# Altium PCB Main_PCB.PcbDoc (part 11 of 13)
Units mil, origin at the board's own origin, x right, y up, seen from the top; angles counter-clockwise.
Board outline 5200 x 6000 mil, 12 copper layers (Top (L1), Int1 (l2), Int2 (L3), Int3 (L4), Int4 (L5), Int5 (L6), Int6 (L7), Int7 (L8), Int8 (L9), Int9 (L10), Int10 (L11), Bot (L12)), stack 94.81 mil thick; 88 components, 424 nets, 1789 pads, 1684 vias.
Unrouted connection lines stored in the file: 914.
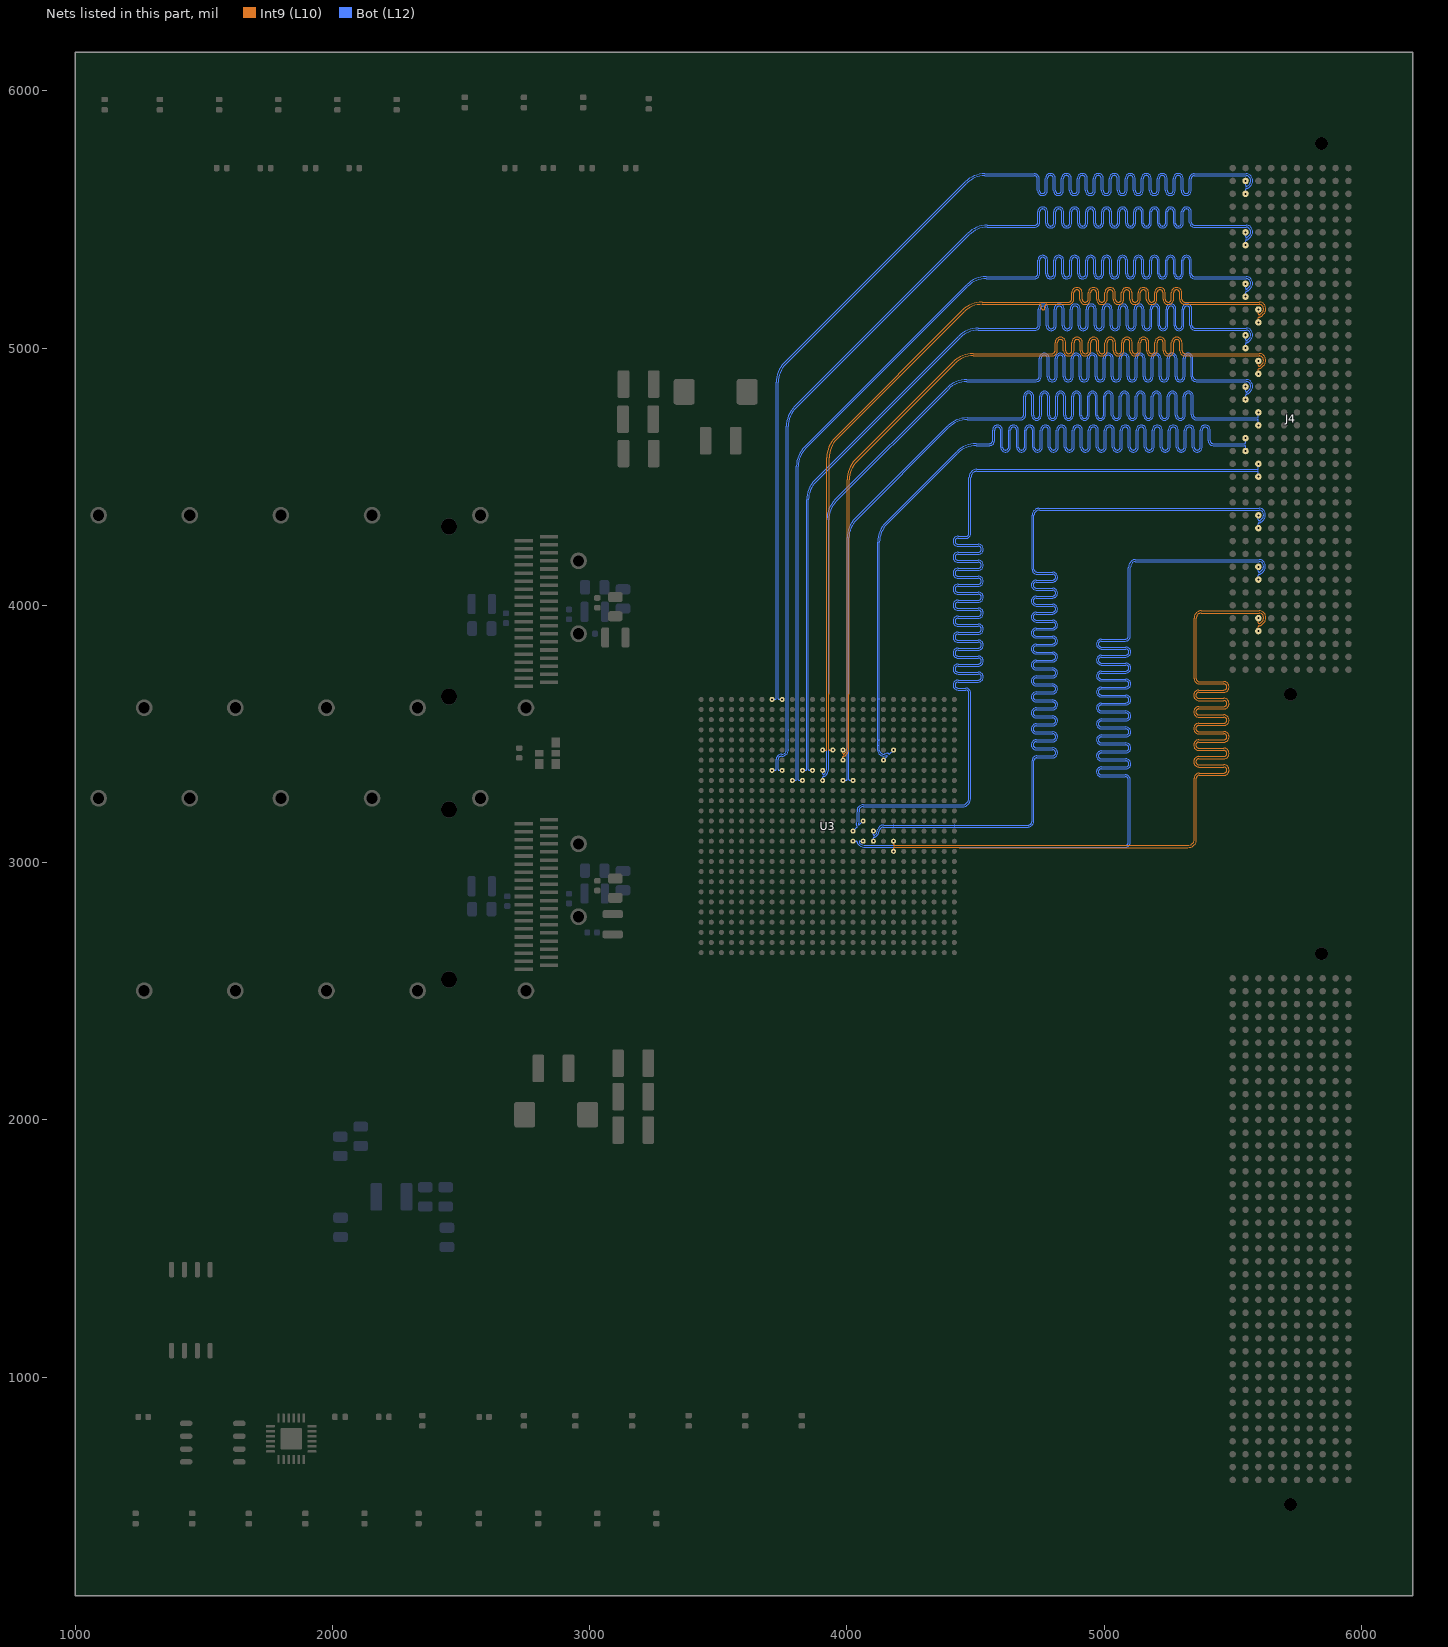
[diagram p21: the nets of this part, all layers, seen from the top]

## Via types
v1: diameter 13.78, hole 7.87, Top (L1) to Bot (L12), tented both sides, 1680 vias
v2: diameter 19.68, hole 7.87, Top (L1) to Bot (L12), tented both sides, 4 vias

## Nets (pads, with @x,y where several pads share a name; then routed paths per layer and width w, separated by ;. In a path a pad name is that pad's centre, name@x,y a point inside that pad or via, vN(x,y) a via of type N, cw(c..) or ccw(c..) an arc to the next point about the centre after c; other vN are vias at no path point) (continued)
HPCC_B_56_N: J4.H13 U3.F13 | length 3809.3
  Int9 (L10) w3.5: v1(3906.3,3437.4) 3918.73,3437.4 ccw(c3918.73,3440.9) 3921.21,3438.43 ccw(c3918.73,3440.9) 3922.23,3440.9 3922.23,4574.61 cw(c4031.03,4574.61) 3954.1,4651.55 4449.49,5146.93 cw(c4526.42,5070) 4526.42,5178.8 4856,5178.8 4862.15,5178.8 ccw(c4862.15,5190.55) 4873.9,5190.55 4873.9,5214.72 cw(c4894.45,5214.72) 4915,5214.72 4915,5190.1 ccw(c4926.75,5190.1) 4938.5,5190.1 4938.5,5214.72 cw(c4959.05,5214.72) 4979.6,5214.72 4979.6,5190.1 ccw(c4991.35,5190.1) 5003.1,5190.1 5003.1,5214.72 cw(c5023.65,5214.72) 5044.2,5214.72 5044.2,5190.1 ccw(c5055.95,5190.1) 5067.7,5190.1 5067.7,5214.72 cw(c5088.25,5214.72) 5108.8,5214.72 5108.8,5190.1 ccw(c5120.55,5190.1) 5132.3,5190.1 5132.3,5214.72 cw(c5152.85,5214.72) 5173.4,5214.72 5173.4,5190.1 ccw(c5185.15,5190.1) 5196.9,5190.1 5196.9,5214.72 cw(c5217.45,5214.72) 5238,5214.72 5238,5190.1 ccw(c5249.75,5190.1) 5261.5,5190.1 5261.5,5214.72 cw(c5282.05,5214.72) 5302.6,5214.72 5302.6,5190.55 ccw(c5314.35,5190.55) 5314.35,5178.8 5341.73,5178.8 5602.93,5178.8 cw(c5602.93,5152.93) 5621.22,5171.22 cw(c5602.93,5152.93) 5628.8,5152.93 5628.8,5150 cw(c5604.66,5150) 5621.73,5132.93 5613.56,5124.76 cw(c5603.5,5134.84) 5603.5,5120.6 ccw(c5603.5,5117.1) 5601.03,5119.57 ccw(c5603.5,5117.1) 5600,5117.1 v1(5600,5100)
HPCC_B_56_P: J4.H12 U3.F14 | length 3799
  Int9 (L10) w3.5: v1(3945.67,3437.4) 3933.23,3437.4 cw(c3933.23,3440.9) 3930.76,3438.43 cw(c3933.23,3440.9) 3929.73,3440.9 3929.73,3655 ccw(c3926.6,3658.14) 3931.03,3658.14 3931.03,4574.61 cw(c4031.03,4574.61) 3960.32,4645.32 4455.71,5140.71 cw(c4526.42,5070) 4526.42,5170 4734.75,5170 4750,5170 cw(c4750,5163.25) 4756.75,5163.25 4756.75,5155.57 ccw(c4763.5,5155.57) 4770.25,5155.57 4770.25,5163.25 cw(c4777,5163.25) 4777,5170 4790.82,5170 4856,5170 4862.15,5170 ccw(c4862.15,5190.55) 4882.7,5190.55 4882.7,5214.72 cw(c4894.45,5214.72) 4906.2,5214.72 4906.2,5190.1 ccw(c4926.75,5190.1) 4947.3,5190.1 4947.3,5214.72 cw(c4959.05,5214.72) 4970.8,5214.72 4970.8,5190.1 ccw(c4991.35,5190.1) 5011.9,5190.1 5011.9,5214.72 cw(c5023.65,5214.72) 5035.4,5214.72 5035.4,5190.1 ccw(c5055.95,5190.1) 5076.5,5190.1 5076.5,5214.72 cw(c5088.25,5214.72) 5100,5214.72 5100,5190.1 ccw(c5120.55,5190.1) 5141.1,5190.1 5141.1,5214.72 cw(c5152.85,5214.72) 5164.6,5214.72 5164.6,5190.1 ccw(c5185.15,5190.1) 5205.7,5190.1 5205.7,5214.72 cw(c5217.45,5214.72) 5229.2,5214.72 5229.2,5190.1 ccw(c5249.75,5190.1) 5270.3,5190.1 5270.3,5214.72 cw(c5282.05,5214.72) 5293.8,5214.72 5293.8,5190.55 ccw(c5314.35,5190.55) 5314.35,5170 5341.73,5170 5602.93,5170 cw(c5602.93,5152.93) 5615,5165 cw(c5602.93,5152.93) 5620,5152.93 5620,5150 cw(c5604.66,5150) 5615.51,5139.15 5607.34,5130.99 cw(c5603.5,5134.84) 5603.5,5129.4 cw(c5603.5,5132.9) 5601.03,5130.43 cw(c5603.5,5132.9) 5600,5132.9 v1(5600,5150)
HPCC_B_57_N: J4.H17 U3.F15 | length 3822.6
  Int9 (L10) w3.5: v1(3985.04,3437.4) 3985.04,3424.97 ccw(c3988.54,3424.97) 3986.06,3422.49 ccw(c3988.54,3424.97) 3988.54,3421.47 ccw(c3988.54,3424.97) 3991.01,3422.49 ccw(c3966.91,3446.6) 4001,3446.6 4001,4488.38 cw(c4109.8,4488.38) 4032.87,4565.31 4414.49,4946.93 cw(c4491.42,4870) 4491.42,4978.8 4792,4978.8 4798.15,4978.8 ccw(c4798.15,4990.55) 4809.9,4990.55 4809.9,5021.73 cw(c4830.45,5021.73) 4851,5021.73 4851,4989.87 ccw(c4862.75,4989.87) 4874.5,4989.87 4874.5,5021.73 cw(c4895.05,5021.73) 4915.6,5021.73 4915.6,4989.87 ccw(c4927.35,4989.87) 4939.1,4989.87 4939.1,5021.73 cw(c4959.65,5021.73) 4980.2,5021.73 4980.2,4989.87 ccw(c4991.95,4989.87) 5003.7,4989.87 5003.7,5021.73 cw(c5024.25,5021.73) 5044.8,5021.73 5044.8,4989.87 ccw(c5056.55,4989.87) 5068.3,4989.87 5068.3,5021.73 cw(c5088.85,5021.73) 5109.4,5021.73 5109.4,4989.87 ccw(c5121.15,4989.87) 5132.9,4989.87 5132.9,5021.73 cw(c5153.45,5021.73) 5174,5021.73 5174,4989.87 ccw(c5185.75,4989.87) 5197.5,4989.87 5197.5,5021.73 cw(c5218.05,5021.73) 5238.6,5021.73 5238.6,4989.87 ccw(c5250.35,4989.87) 5262.1,4989.87 5262.1,5021.73 cw(c5282.65,5021.73) 5303.2,5021.73 5303.2,4990.55 ccw(c5314.95,4990.55) 5314.95,4978.8 5357,4978.8 5602.93,4978.8 cw(c5602.93,4952.93) 5621.22,4971.22 cw(c5602.93,4952.93) 5628.8,4952.93 5628.8,4950 cw(c5604.66,4950) 5621.73,4932.93 5613.56,4924.76 cw(c5603.5,4934.84) 5603.5,4920.6 ccw(c5603.5,4917.1) 5601.03,4919.57 ccw(c5603.5,4917.1) 5600,4917.1 v1(5600,4900)
HPCC_B_57_P: J4.H16 U3.G15 | length 3793.2
  Int9 (L10) w3.5: v1(3985.04,3398.03) 3985.04,3410.47 cw(c3988.54,3410.47) 3986.06,3412.94 cw(c3988.54,3410.47) 3988.54,3413.97 ; 3988.58,3413.97 ccw(c3988.58,3424.87) 3996.29,3417.16 3996.33,3417.2 ccw(c3966.96,3446.58) 4008.5,3446.58 4008.5,3655 ccw(c4005.36,3658.14) 4009.8,3658.14 4009.8,4488.38 cw(c4109.8,4488.38) 4039.09,4559.09 4420.71,4940.71 cw(c4491.42,4870) 4491.42,4970 4792,4970 4798.15,4970 ccw(c4798.15,4990.55) 4818.7,4990.55 4818.7,5021.73 cw(c4830.45,5021.73) 4842.2,5021.73 4842.2,4989.87 ccw(c4862.75,4989.87) 4883.3,4989.87 4883.3,5021.73 cw(c4895.05,5021.73) 4906.8,5021.73 4906.8,4989.87 ccw(c4927.35,4989.87) 4947.9,4989.87 4947.9,5021.73 cw(c4959.65,5021.73) 4971.4,5021.73 4971.4,4989.87 ccw(c4991.95,4989.87) 5012.5,4989.87 5012.5,5021.73 cw(c5024.25,5021.73) 5036,5021.73 5036,4989.87 ccw(c5056.55,4989.87) 5077.1,4989.87 5077.1,5021.73 cw(c5088.85,5021.73) 5100.6,5021.73 5100.6,4989.87 ccw(c5121.15,4989.87) 5141.7,4989.87 5141.7,5021.73 cw(c5153.45,5021.73) 5165.2,5021.73 5165.2,4989.87 ccw(c5185.75,4989.87) 5206.3,4989.87 5206.3,5021.73 cw(c5218.05,5021.73) 5229.8,5021.73 5229.8,4989.87 ccw(c5250.35,4989.87) 5270.9,4989.87 5270.9,5021.73 cw(c5282.65,5021.73) 5294.4,5021.73 5294.4,4990.55 ccw(c5314.95,4990.55) 5314.95,4970 5357,4970 5602.93,4970 cw(c5602.93,4952.93) 5615,4965 cw(c5602.93,4952.93) 5620,4952.93 5620,4950 cw(c5604.66,4950) 5615.51,4939.15 5607.34,4930.99 cw(c5603.5,4934.84) 5603.5,4929.4 cw(c5603.5,4932.9) 5601.03,4930.43 cw(c5603.5,4932.9) 5600,4932.9 v1(5600,4950)
HPCC_B_58_N: J4.H21 U3.J16 | length 4793
  Bot (L12) w3.5: v1(4024.41,3319.29) 4011.97,3319.29 cw(c4011.97,3322.79) 4009.5,3320.32 cw(c4011.97,3322.79) 4008.47,3322.79 4008.47,4262.05 cw(c4108.47,4262.05) 4037.76,4332.76 4396.94,4691.94 cw(c4467.65,4621.23) 4467.65,4721.23 4670.15,4721.23 4675.68,4721.23 ccw(c4675.68,4740.52) 4694.98,4740.52 4694.98,4812.93 cw(c4706.73,4812.93) 4718.48,4812.93 4718.48,4738.73 ccw(c4737.78,4738.73) 4757.08,4738.73 4757.08,4812.93 cw(c4768.83,4812.93) 4780.58,4812.93 4780.58,4738.73 ccw(c4799.88,4738.73) 4819.18,4738.73 4819.18,4812.93 cw(c4830.93,4812.93) 4842.68,4812.93 4842.68,4738.73 ccw(c4861.98,4738.73) 4881.28,4738.73 4881.28,4812.93 cw(c4893.03,4812.93) 4904.78,4812.93 4904.78,4738.73 ccw(c4924.08,4738.73) 4943.38,4738.73 4943.38,4812.93 cw(c4955.13,4812.93) 4966.88,4812.93 4966.88,4738.73 ccw(c4986.18,4738.73) 5005.48,4738.73 5005.48,4812.93 cw(c5017.23,4812.93) 5028.98,4812.93 5028.98,4738.73 ccw(c5048.28,4738.73) 5067.58,4738.73 5067.58,4812.93 cw(c5079.33,4812.93) 5091.08,4812.93 5091.08,4738.73 ccw(c5110.38,4738.73) 5129.68,4738.73 5129.68,4812.93 cw(c5141.43,4812.93) 5153.18,4812.93 5153.18,4738.73 ccw(c5172.48,4738.73) 5191.78,4738.73 5191.78,4812.93 cw(c5203.53,4812.93) 5215.28,4812.93 5215.28,4738.73 ccw(c5234.58,4738.73) 5253.88,4738.73 5253.88,4812.93 cw(c5265.63,4812.93) 5277.38,4812.93 5277.38,4738.73 ccw(c5296.68,4738.73) 5315.98,4738.73 5315.98,4812.93 cw(c5327.73,4812.93) 5339.48,4812.93 5339.48,4740.52 ccw(c5358.78,4740.52) 5358.78,4721.22 5381,4721.23 5596.5,4721.23 cw(c5596.5,4717.72) 5598.97,4720.2 cw(c5596.5,4717.73) 5600,4717.73 v1(5600,4700)
HPCC_B_58_P: J4.H20 U3.J15 | length 4804.9
  Bot (L12) w3.5: v1(3985.04,3319.29) 3997.47,3319.29 ccw(c3997.47,3322.79) 3999.95,3320.32 ccw(c3997.47,3322.79) 4000.97,3322.79 4000.97,3655 4000.92,3655.05 4000.92,4262.05 cw(c4108.47,4262.05) 4032.43,4338.1 4391.6,4697.27 cw(c4467.65,4621.23) 4467.65,4728.78 4670.15,4728.77 4675.68,4728.77 ccw(c4675.68,4740.52) 4687.43,4740.52 4687.43,4812.93 cw(c4706.73,4812.93) 4726.03,4812.93 4726.03,4738.73 ccw(c4737.78,4738.73) 4749.53,4738.73 4749.53,4812.93 cw(c4768.83,4812.93) 4788.13,4812.93 4788.13,4738.73 ccw(c4799.88,4738.73) 4811.63,4738.73 4811.63,4812.93 cw(c4830.93,4812.93) 4850.23,4812.93 4850.23,4738.73 ccw(c4861.98,4738.73) 4873.73,4738.73 4873.73,4812.93 cw(c4893.03,4812.93) 4912.33,4812.93 4912.33,4738.73 ccw(c4924.08,4738.73) 4935.83,4738.73 4935.83,4812.93 cw(c4955.13,4812.93) 4974.43,4812.93 4974.43,4738.73 ccw(c4986.18,4738.73) 4997.93,4738.73 4997.93,4812.93 cw(c5017.23,4812.93) 5036.53,4812.93 5036.53,4738.73 ccw(c5048.28,4738.73) 5060.03,4738.73 5060.03,4812.93 cw(c5079.33,4812.93) 5098.63,4812.93 5098.63,4738.73 ccw(c5110.38,4738.73) 5122.13,4738.73 5122.13,4812.93 cw(c5141.43,4812.93) 5160.73,4812.93 5160.73,4738.73 ccw(c5172.48,4738.73) 5184.23,4738.73 5184.23,4812.93 cw(c5203.53,4812.93) 5222.83,4812.93 5222.83,4738.73 ccw(c5234.58,4738.73) 5246.33,4738.73 5246.33,4812.93 cw(c5265.63,4812.93) 5284.93,4812.93 5284.93,4738.73 ccw(c5296.68,4738.73) 5308.43,4738.73 5308.43,4812.93 cw(c5327.73,4812.93) 5347.03,4812.93 5347.03,4740.52 ccw(c5358.78,4740.52) 5358.78,4728.77 5381,4728.77 5596.5,4728.77 ccw(c5596.5,4732.28) 5598.97,4729.8 ccw(c5596.5,4732.27) 5600,4732.27 v1(5600,4750)
HPCC_B_59_N: J4.H25 U3.N17 | length 4787.4
  Bot (L12) w3.5: 4044.47,3150.18 ccw(c4047.55,3148.5) 4044.21,3147.46 4044.27,3147.25 ccw(c4046.75,3149.73) 4046.75,3146.23 ccw(c4046.75,3149.73) 4049.22,3147.25 v1(4063.78,3161.81) ; 4044.48,3150.19 ccw(c4034.77,3159.9) 4048.5,3159.9 4048.5,3160.75 cw(c4052,3160.76) 4048.5,3160.82 ccw(c4037.5,3160.99) 4048.5,3160.99 4048.5,3196.54 ccw(c4037.5,3196.54) 4048.33,3198.46 cw(c4063.78,3201.18) 4048.2,3203.02 4048.23,3205.25 ccw(c4044.73,3205.3) 4048.23,3205.3 cw(c4057.7,3205.3) 4051,3212 cw(c4063.07,3199.93) 4063.07,3217 4451.84,3217 ccw(c4451.84,3243.16) 4470.34,3224.66 ccw(c4440.86,3254.14) 4482.55,3254.14 4482.55,3653.53 4482.55,3659.06 ccw(c4463.25,3659.06) 4463.25,3678.36 4432.36,3678.36 cw(c4432.36,3690.11) 4432.36,3701.86 4511.73,3701.86 ccw(c4511.73,3721.16) 4511.73,3740.46 4432.36,3740.46 cw(c4432.36,3752.21) 4432.36,3763.96 4511.73,3763.96 ccw(c4511.73,3783.26) 4511.73,3802.56 4432.36,3802.56 cw(c4432.36,3814.31) 4432.36,3826.06 4511.73,3826.06 ccw(c4511.73,3845.36) 4511.73,3864.66 4432.36,3864.66 cw(c4432.36,3876.41) 4432.36,3888.16 4511.73,3888.16 ccw(c4511.73,3907.46) 4511.73,3926.76 4432.36,3926.76 cw(c4432.36,3938.51) 4432.36,3950.26 4511.73,3950.26 ccw(c4511.73,3969.56) 4511.73,3988.86 4432.36,3988.86 cw(c4432.36,4000.61) 4432.36,4012.36 4511.73,4012.36 ccw(c4511.73,4031.66) 4511.73,4050.96 4432.36,4050.96 cw(c4432.36,4062.71) 4432.36,4074.46 4511.73,4074.46 ccw(c4511.73,4093.76) 4511.73,4113.06 4432.36,4113.06 cw(c4432.36,4124.81) 4432.36,4136.56 4511.73,4136.56 ccw(c4511.73,4155.86) 4511.73,4175.16 4432.36,4175.16 cw(c4432.36,4186.91) 4432.36,4198.66 4511.73,4198.66 ccw(c4511.73,4217.96) 4511.73,4237.26 4432.36,4237.26 cw(c4432.36,4249.01) 4432.36,4260.76 4463.25,4260.76 ccw(c4463.25,4280.06) 4482.55,4280.06 4482.55,4315 4482.55,4497.01 cw(c4507.99,4497.01) 4490,4515 cw(c4505.03,4499.97) 4505.03,4521.22 5596.5,4521.23 cw(c5596.5,4517.72) 5598.97,4520.2 cw(c5596.5,4517.73) 5600,4517.73 v1(5600,4500)
HPCC_B_59_P: J4.H24 U3.P16 | length 4805.6
  Bot (L12) w3.5: v1(4024.41,3122.44) 4038.97,3137 ccw(c4036.49,3139.47) 4039.99,3139.47 ccw(c4036.49,3139.47) 4038.97,3141.95 cw(c4046.67,3149.69) 4035.75,3149.69 4036.06,3150.43 cw(c4039.27,3149.04) 4036.22,3150.76 4037.91,3153.82 4038.14,3154.22 ccw(c4024.41,3161.81) 4038.38,3154.68 ccw(c4024.41,3161.81) 4038.6,3155.12 4040.67,3159.51 ccw(c4037.5,3161) 4041,3160.91 ; 4040.7,3206.12 4040.7,3203.9 4040.75,3203.9 ccw(c4063.78,3201.18) 4040.94,3197.16 cw(c4037.5,3196.54) 4041,3196.54 4041,3160.99 cw(c4037.5,3160.99) 4041,3160.94 ; 4040.73,3206.15 cw(c4055.65,3206.15) 4045.09,3216.7 4045.73,3217.34 cw(c4063.02,3200.06) 4063.02,3224.5 4435,3224.5 4435.05,3224.55 4451.84,3224.55 ccw(c4451.84,3243.16) 4465,3230 ccw(c4440.86,3254.14) 4475,3254.14 4475,3653.53 4475,3659.06 ccw(c4463.25,3659.06) 4463.25,3670.81 4432.36,3670.81 cw(c4432.36,3690.11) 4432.36,3709.41 4511.73,3709.41 ccw(c4511.73,3721.16) 4511.73,3732.91 4432.36,3732.91 cw(c4432.36,3752.21) 4432.36,3771.51 4511.73,3771.51 ccw(c4511.73,3783.26) 4511.73,3795.01 4432.36,3795.01 cw(c4432.36,3814.31) 4432.36,3833.61 4511.73,3833.61 ccw(c4511.73,3845.36) 4511.73,3857.11 4432.36,3857.11 cw(c4432.36,3876.41) 4432.36,3895.71 4511.73,3895.71 ccw(c4511.73,3907.46) 4511.73,3919.21 4432.36,3919.21 cw(c4432.36,3938.51) 4432.36,3957.81 4511.73,3957.81 ccw(c4511.73,3969.56) 4511.73,3981.31 4432.36,3981.31 cw(c4432.36,4000.61) 4432.36,4019.91 4511.73,4019.91 ccw(c4511.73,4031.66) 4511.73,4043.41 4432.36,4043.41 cw(c4432.36,4062.71) 4432.36,4082.01 4511.73,4082.01 ccw(c4511.73,4093.76) 4511.73,4105.51 4432.36,4105.51 cw(c4432.36,4124.81) 4432.36,4144.11 4511.73,4144.11 ccw(c4511.73,4155.86) 4511.73,4167.61 4432.36,4167.61 cw(c4432.36,4186.91) 4432.36,4206.21 4511.73,4206.21 ccw(c4511.73,4217.96) 4511.73,4229.71 4432.36,4229.71 cw(c4432.36,4249.01) 4432.36,4268.31 4463.25,4268.31 ccw(c4463.25,4280.06) 4475,4280.06 4475,4315 4475,4497.01 cw(c4507.99,4497.01) 4484.66,4520.34 cw(c4505.03,4499.97) 4505.03,4528.78 5596.5,4528.77 ccw(c5596.5,4532.28) 5598.97,4529.8 ccw(c5596.5,4532.27) 5600,4532.27 v1(5600,4550)
HPCC_B_60_N: J4.H29 U3.P18 | length 4796.5
  Bot (L12) w3.5: v1(4103.15,3122.44) 4103.15,3110.01 ccw(c4106.65,3110.01) 4104.17,3107.53 ccw(c4106.65,3110.01) 4106.65,3106.51 ccw(c4106.65,3110.01) 4109.12,3107.53 4114.44,3112.84 4115.6,3114 4120.39,3129.35 cw(c4142.52,3122.44) 4141.48,3145.6 cw(c4142.52,3122.44) 4142.64,3145.63 4144.62,3145.61 ; 4144.66,3145.61 4180.9,3145.61 ccw(c4180.87,3149.11) 4180.98,3145.61 cw(c4181.89,3122.44) 4181.89,3145.63 4418.11,3145.63 cw(c4418.11,3122.44) 4418.98,3145.61 ccw(c4419.13,3149.11) 4419.1,3145.61 4449.98,3145.61 ; 4450,3145.63 4704.46,3145.63 ccw(c4704.46,3160.54) 4715,3150 4716.46,3151.46 ccw(c4707.93,3160) 4720,3160 4720,3359.06 4720,3395.64 cw(c4739.3,3395.64) 4739.3,3414.94 4799.95,3414.94 ccw(c4799.95,3426.69) 4799.95,3438.44 4736.51,3438.44 cw(c4736.51,3457.74) 4736.51,3477.04 4799.95,3477.04 ccw(c4799.95,3488.79) 4799.95,3500.54 4736.51,3500.54 cw(c4736.51,3519.84) 4736.51,3539.14 4799.95,3539.14 ccw(c4799.95,3550.89) 4799.95,3562.64 4736.51,3562.64 cw(c4736.51,3581.94) 4736.51,3601.24 4799.95,3601.24 ccw(c4799.95,3612.99) 4799.95,3624.74 4736.51,3624.74 cw(c4736.51,3644.04) 4736.51,3663.34 4799.95,3663.34 ccw(c4799.95,3675.09) 4799.95,3686.84 4736.51,3686.84 cw(c4736.51,3706.14) 4736.51,3725.44 4799.95,3725.44 ccw(c4799.95,3737.19) 4799.95,3748.94 4736.51,3748.94 cw(c4736.51,3768.24) 4736.51,3787.54 4799.95,3787.54 ccw(c4799.95,3799.29) 4799.95,3811.04 4736.51,3811.04 cw(c4736.51,3830.34) 4736.51,3849.64 4799.95,3849.64 ccw(c4799.95,3861.39) 4799.95,3873.14 4736.51,3873.14 cw(c4736.51,3892.44) 4736.51,3911.74 4799.95,3911.74 ccw(c4799.95,3923.49) 4799.95,3935.24 4736.51,3935.24 cw(c4736.51,3954.54) 4736.51,3973.84 4799.95,3973.84 ccw(c4799.95,3985.59) 4799.95,3997.34 4736.51,3997.34 cw(c4736.51,4016.64) 4736.51,4035.94 4799.95,4035.94 ccw(c4799.95,4047.69) 4799.95,4059.44 4736.51,4059.44 cw(c4736.51,4078.74) 4736.51,4098.04 4799.95,4098.04 ccw(c4799.95,4109.79) 4799.95,4121.54 4739.3,4121.54 cw(c4739.3,4140.84) 4720,4140.84 4720,4218 4720,4350 cw(c4745.78,4350) 4727.55,4368.23 4729.66,4370.34 cw(c4747.07,4352.93) 4747.07,4377.55 5602.93,4377.55 cw(c5602.93,4352.93) 5620.34,4370.34 cw(c5602.93,4352.93) 5627.55,4352.93 5627.55,4350 cw(c5603.41,4350) 5620.48,4332.93 5612.47,4324.92 cw(c5607.17,4330.29) 5611.46,4324.08 cw(c5603.5,4333.96) 5604.63,4321.33 5603.5,4321.23 ccw(c5603.5,4317.72) 5601.03,4320.2 ccw(c5603.5,4317.73) 5600,4317.73 v1(5600,4300)
HPCC_B_60_P: J4.H28 U3.R18 | length 4772.5
  Bot (L12) w3.5: v1(4103.15,3083.07) 4103.15,3095.51 cw(c4106.65,3095.51) 4104.17,3097.98 cw(c4106.65,3095.51) 4106.65,3099.01 ; 4106.69,3099.01 ccw(c4106.69,3109.91) 4114.4,3102.2 ; 4114.43,3102.23 4119.74,3107.54 4121.55,3109.35 ccw(c4118.9,3112) 4122.48,3110.89 4127.55,3127.11 cw(c4142.52,3122.44) 4141.82,3138.11 ; 4141.84,3138.11 cw(c4142.52,3122.44) 4142.61,3138.13 4144.55,3138.11 ccw(c4144.66,3149.11) 4144.66,3138.11 4180.93,3138.11 ccw(c4180.87,3149.11) 4181.24,3138.11 cw(c4181.89,3122.44) 4181.89,3138.13 4418.11,3138.13 cw(c4418.11,3122.44) 4418.67,3138.12 ccw(c4419.13,3149.11) 4419.07,3138.11 4431,3138.11 4704.46,3138.08 ccw(c4704.46,3160.54) 4720.34,3144.66 4721.8,3146.13 ccw(c4707.93,3160) 4727.55,3160 4727.55,3359.06 4727.55,3395.64 cw(c4739.3,3395.64) 4739.3,3407.39 4799.95,3407.39 ccw(c4799.95,3426.69) 4799.95,3445.99 4736.51,3445.99 cw(c4736.51,3457.74) 4736.51,3469.49 4799.95,3469.49 ccw(c4799.95,3488.79) 4799.95,3508.09 4736.51,3508.09 cw(c4736.51,3519.84) 4736.51,3531.59 4799.95,3531.59 ccw(c4799.95,3550.89) 4799.95,3570.19 4736.51,3570.19 cw(c4736.51,3581.94) 4736.51,3593.69 4799.95,3593.69 ccw(c4799.95,3612.99) 4799.95,3632.29 4736.51,3632.29 cw(c4736.51,3644.04) 4736.51,3655.79 4799.95,3655.79 ccw(c4799.95,3675.09) 4799.95,3694.39 4736.51,3694.39 cw(c4736.51,3706.14) 4736.51,3717.89 4799.95,3717.89 ccw(c4799.95,3737.19) 4799.95,3756.49 4736.51,3756.49 cw(c4736.51,3768.24) 4736.51,3779.99 4799.95,3779.99 ccw(c4799.95,3799.29) 4799.95,3818.59 4736.51,3818.59 cw(c4736.51,3830.34) 4736.51,3842.09 4799.95,3842.09 ccw(c4799.95,3861.39) 4799.95,3880.69 4736.51,3880.69 cw(c4736.51,3892.44) 4736.51,3904.19 4799.95,3904.19 ccw(c4799.95,3923.49) 4799.95,3942.79 4736.51,3942.79 cw(c4736.51,3954.54) 4736.51,3966.29 4799.95,3966.29 ccw(c4799.95,3985.59) 4799.95,4004.89 4736.51,4004.89 cw(c4736.51,4016.64) 4736.51,4028.39 4799.95,4028.39 ccw(c4799.95,4047.69) 4799.95,4066.99 4736.51,4066.99 cw(c4736.51,4078.74) 4736.51,4090.49 4799.95,4090.49 ccw(c4799.95,4109.79) 4799.95,4129.09 4739.3,4129.09 cw(c4739.3,4140.84) 4727.55,4140.84 4727.55,4218 4727.55,4350 cw(c4745.78,4350) 4732.89,4362.89 cw(c4750.06,4345.72) 4750.06,4370 5602.93,4370 cw(c5602.93,4352.93) 5615,4365 cw(c5602.93,4352.93) 5620,4352.93 5620,4350 cw(c5603.41,4350) 5615.14,4338.27 5607.17,4330.29 cw(c5603.5,4333.96) 5603.5,4328.77 cw(c5603.5,4332.28) 5601.03,4329.8 cw(c5603.5,4332.27) 5600,4332.27 v1(5600,4350)
HPCC_B_61_N: J4.H33 U3.R17 | length 4802.7
  Bot (L12) w3.5: v1(4063.78,3083.07) 4051.34,3083.07 ccw(c4051.34,3079.57) 4048.87,3082.05 ccw(c4051.34,3079.57) 4047.84,3079.57 ccw(c4051.34,3079.57) 4048.87,3077.1 ccw(c4073.24,3101.47) 4073.24,3067 5082.76,3067 ccw(c5082.76,3077.24) 5090,3070 5091.46,3071.46 ccw(c5082.93,3080) 5095,3080 5095,3316.09 5095,3321.61 ccw(c5083.25,3321.61) 5083.25,3333.36 4989.7,3333.36 cw(c4989.7,3352.66) 4989.7,3371.96 5084.8,3371.96 ccw(c5084.8,3383.71) 5084.8,3395.46 4989.7,3395.46 cw(c4989.7,3414.76) 4989.7,3434.06 5084.8,3434.06 ccw(c5084.8,3445.81) 5084.8,3457.56 4989.7,3457.56 cw(c4989.7,3476.86) 4989.7,3496.16 5084.8,3496.16 ccw(c5084.8,3507.91) 5084.8,3519.66 4989.7,3519.66 cw(c4989.7,3538.96) 4989.7,3558.26 5084.8,3558.26 ccw(c5084.8,3570.01) 5084.8,3581.76 4989.7,3581.76 cw(c4989.7,3601.06) 4989.7,3620.36 5084.8,3620.36 ccw(c5084.8,3632.11) 5084.8,3643.86 4989.7,3643.86 cw(c4989.7,3663.16) 4989.7,3682.46 5084.8,3682.46 ccw(c5084.8,3694.21) 5084.8,3705.96 4989.7,3705.96 cw(c4989.7,3725.26) 4989.7,3744.56 5084.8,3744.56 ccw(c5084.8,3756.31) 5084.8,3768.06 4989.7,3768.06 cw(c4989.7,3787.36) 4989.7,3806.66 5084.8,3806.66 ccw(c5084.8,3818.41) 5084.8,3830.16 4989.7,3830.16 cw(c4989.7,3849.46) 4989.7,3868.76 5083.25,3868.76 ccw(c5083.25,3880.51) 5095,3880.51 5095,3903.47 5095,4147.01 cw(c5127.99,4147.01) 5104.66,4170.34 cw(c5122.07,4152.93) 5122.07,4177.55 5602.93,4177.55 cw(c5602.93,4152.93) 5620.34,4170.34 cw(c5602.93,4152.93) 5627.55,4152.93 5627.55,4150 cw(c5603.41,4150) 5620.48,4132.93 5612.47,4124.92 cw(c5607.17,4130.29) 5611.46,4124.08 cw(c5603.5,4133.96) 5604.63,4121.33 5603.5,4121.23 ccw(c5603.5,4117.72) 5601.03,4120.2 ccw(c5603.5,4117.73) 5600,4117.73 v1(5600,4100)
HPCC_B_61_P: J4.H32 U3.R16 | length 4790.9
  Bot (L12) w3.5: v1(4024.41,3083.07) 4036.84,3083.07 cw(c4036.84,3079.57) 4039.32,3082.05 cw(c4036.84,3079.57) 4040.34,3079.57 4040.34,3079.51 ccw(c4051.19,3079.51) 4043.52,3071.84 4043.62,3071.74 ccw(c4073.17,3101.3) 4073.17,3059.5 4435,3059.5 4435.05,3059.45 5082.76,3059.45 ccw(c5082.76,3077.24) 5095.34,3064.66 5096.8,3066.13 ccw(c5082.93,3080) 5102.55,3080 5102.55,3316.09 5102.55,3321.61 ccw(c5083.25,3321.61) 5083.25,3340.91 4989.7,3340.91 cw(c4989.7,3352.66) 4989.7,3364.41 5084.8,3364.41 ccw(c5084.8,3383.71) 5084.8,3403.01 4989.7,3403.01 cw(c4989.7,3414.76) 4989.7,3426.51 5084.8,3426.51 ccw(c5084.8,3445.81) 5084.8,3465.11 4989.7,3465.11 cw(c4989.7,3476.86) 4989.7,3488.61 5084.8,3488.61 ccw(c5084.8,3507.91) 5084.8,3527.21 4989.7,3527.21 cw(c4989.7,3538.96) 4989.7,3550.71 5084.8,3550.71 ccw(c5084.8,3570.01) 5084.8,3589.31 4989.7,3589.31 cw(c4989.7,3601.06) 4989.7,3612.81 5084.8,3612.81 ccw(c5084.8,3632.11) 5084.8,3651.41 4989.7,3651.41 cw(c4989.7,3663.16) 4989.7,3674.91 5084.8,3674.91 ccw(c5084.8,3694.21) 5084.8,3713.51 4989.7,3713.51 cw(c4989.7,3725.26) 4989.7,3737.01 5084.8,3737.01 ccw(c5084.8,3756.31) 5084.8,3775.61 4989.7,3775.61 cw(c4989.7,3787.36) 4989.7,3799.11 5084.8,3799.11 ccw(c5084.8,3818.41) 5084.8,3837.71 4989.7,3837.71 cw(c4989.7,3849.46) 4989.7,3861.21 5083.25,3861.21 ccw(c5083.25,3880.51) 5102.55,3880.51 5102.55,3903.47 5102.55,4147.01 cw(c5127.99,4147.01) 5110,4165 cw(c5122.07,4152.93) 5122.07,4170 5602.93,4170 cw(c5602.93,4152.93) 5615,4165 cw(c5602.93,4152.93) 5620,4152.93 5620,4150 cw(c5603.41,4150) 5615.14,4138.27 5607.17,4130.29 cw(c5603.5,4133.96) 5603.5,4128.77 cw(c5603.5,4132.28) 5601.03,4129.8 cw(c5603.5,4132.27) 5600,4132.27 v1(5600,4150)